# Altium PCB openmv-ae3.PcbDoc (part 3 of 7)
Units mil, origin at the board's own origin, x right, y up, seen from the top; angles counter-clockwise.
Board outline 1001 x 1001 mil, 8 copper layers (TOP, ART2, GND3, ART4, VCC5, GND6, ART7, BOTTOM), stack 65.6 mil thick; 246 components, 168 nets, 1013 pads, 1766 vias.
Unrouted connection lines stored in the file: 233.
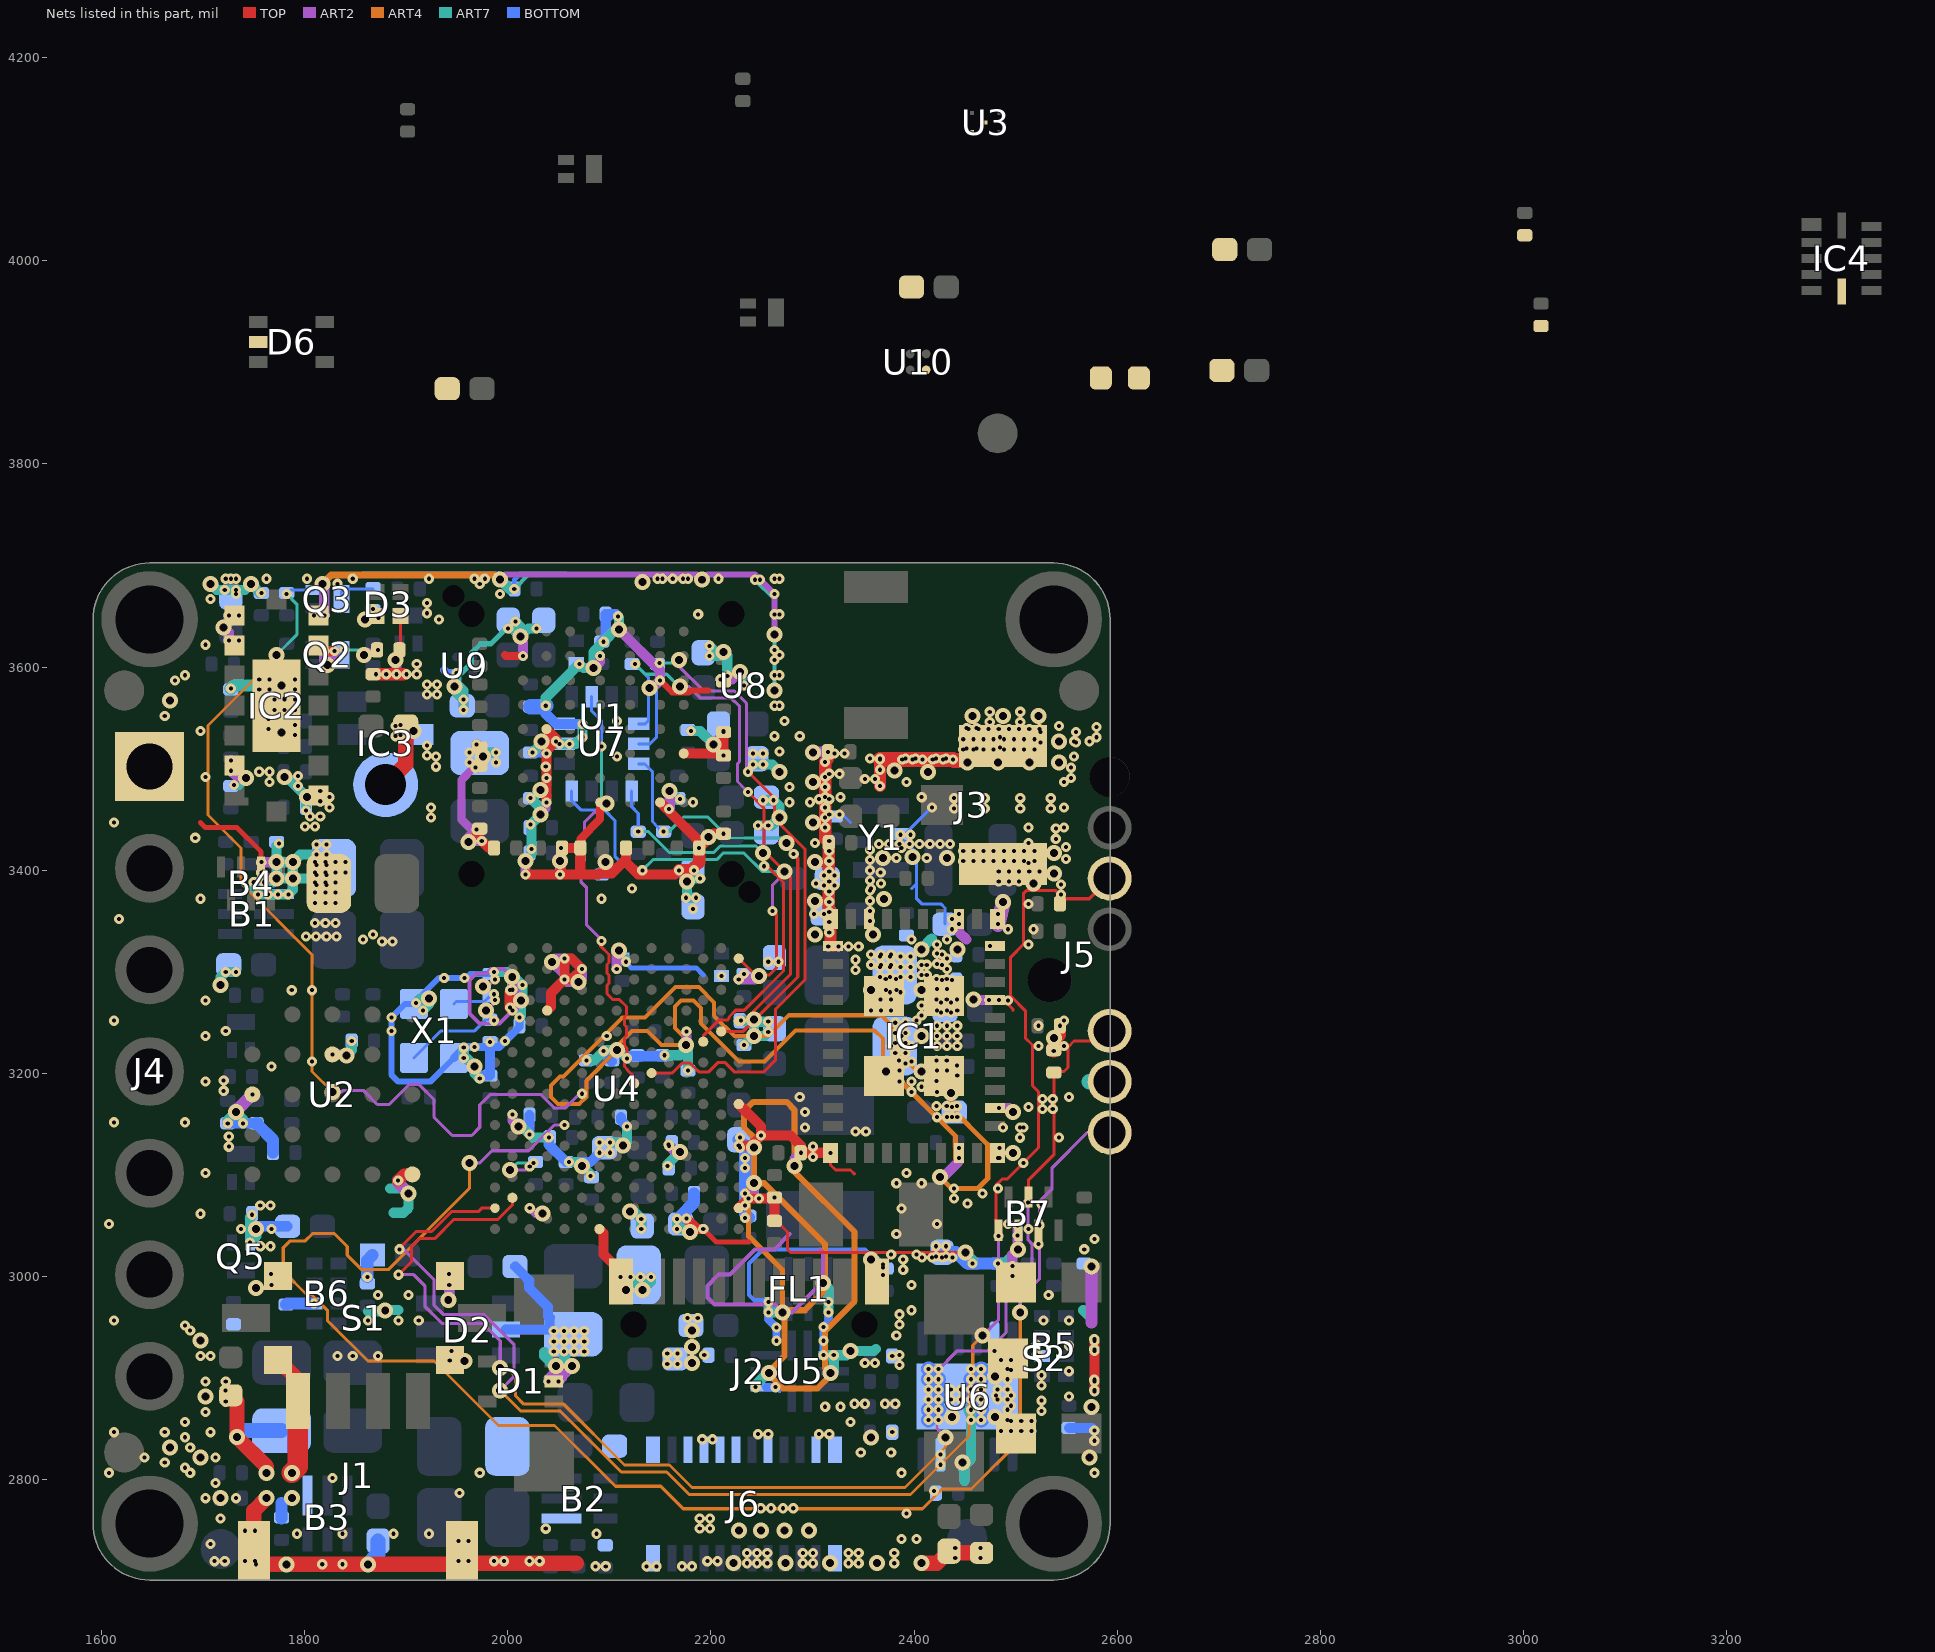
[diagram p9: the nets of this part, all layers, seen from the top]

## Via types
v1: diameter 10, hole 4, TOP to ART2, tented both sides, 779 vias
v2: diameter 10, hole 4, ART7 to BOTTOM, tented both sides, 590 vias
v3: diameter 15.75, hole 7.87, ART2 to ART7, 342 vias
v4: diameter 10, hole 4, ART7 to BOTTOM, tented bottom, 41 vias
v5: diameter 15.75, hole 7.87, TOP to BOTTOM, tented both sides, 13 vias
v6: diameter 10, hole 4, TOP to BOTTOM, tented both sides, 1 vias

## Nets (pads, with @x,y where several pads share a name; then routed paths per layer and width w, separated by ;. In a path a pad name is that pad's centre, name@x,y a point inside that pad or via, vN(x,y) a via of type N, cw(c..) or ccw(c..) an arc to the next point about the centre after c; other vN are vias at no path point) (continued)
GND: B1.4 B2.4 B3.4 B4.2 B5.2 B6.2 B7.2 C1.1 C2.1 C3.2 C4.1 C5.1 C6.1 C7.1 C8.1 C9.1 C10.1 C11.1 C12.1 C13.1 C14.1 C15.1 C16.1 C17.1 C18.1 C19.1 C20.1 C21.1 C22.1 C23.1 C24.1 C25.1 C26.1 C27.1 C28.1 C29.1 C30.1 C31.1 C32.1 C33.1 C34.2 C35.2 C36.1 C37.1 C38.1 C39.2 C40.2 C41.2 C42.2 C43.2 C44.2 C45.2 C46.2 C47.1 C48.1 C49.1 C50.2 C51.2 C52.2 C53.1 C54.2 C55.1 C56.2 C57.2 C58.2 C59.1 C60.1 C61.1 C62.2 C63.2 C64.2 C66.2 C68.1 C69.1 C70.1 C71.2 C72.1 C74.1 C75.1 C76.2 C77.1 C78.1 C79.2 C80.2 C81.2 C82.1 C83.2 C84.1 C85.1 C86.2 C87.2 C88.1 C89.2 C90.1 C91.1 C92.2 C93.1 C94.1 C95.2 C96.1 C97.1 C98.1 C99.1 C100.1 C101.1 C102.2 C103.1 C104.1 C105.2 C106.1 C107.1 C108.1 C109.2 C110.2 C111.1 C112.1 C113.1 C114.1 C115.1 C116.1 C117.1 C118.1 C119.2 C120.1 C121.1 C122.1 C123.1 C124.1 C125.1 D1.2 D2.2 D4.2 D5.2 D6.2 FL1.5 FL1.8 IC1.1 IC1.12 IC1.19 IC1.21 IC1.23 IC1.29 IC1.32 IC1.33 IC1.35 IC1.40 IC1.42 IC1.43 IC1.44 IC1.45 IC1.46 IC2.A2 IC2.A6 IC2.A7 IC2.B4 IC2.C1 IC2.C6 IC2.C7 IC3.2 IC3.3 IC4.6 J1.1 J1.S1 J1.S2 J2.A1 J2.A12 J3.2 J3.3 J4.1 J5.5 J6.13 J6.19 J6.21 J6.22 J6.23 J6.24 Q5.2 R5.1 R12.1 R14.2 R15.1 R19.1 R21.1 R23.1 R25.1 R31.1 R38.2 R39.1 R51.1 R56.1 S1.MP1 S1.MP2 S1.MP3 S1.MP4 S2.2 S2.3 S2.4 U1.B1 U1.B4 U1.C6 U1.E2 U1.F2 U1.F7 U1.G2 U1.H2 U1.H4 U1.H6 U2.B3 U2.C1 U2.E5 U3.2 U3.5 U4.B12 U4.B22 U4.B24 U4.C3 U4.D22 U4.E25 U4.E27 U4.F26 U4.G1 U4.H26 U4.L9 U4.M2 U4.M20 U4.N1 U4.R3 U4.R9 U4.R13 U4.R25 U5.3 U5.8 U6.5 U6.11 U6.13 U7.6 U7.7 U8.2 U8.5 U9.B1 U10.B1 X1.2 X1.4 Y1.2 | length 12197.1
  TOP w3: R12.1@2262.44,3054.91 2264.44,3054.91 2275.44,3043.91 2275.44,3026.91 2278.57,3023.78 2449.31,3023.78 2452.44,3026.91 ; v1(2317.77,3121.75) 2317.77,3109.91 2322.77,3104.91 2337.44,3104.91 2341.44,3100.91 ; IC1.29@2479.66,3272.34 v1(2483.66,3272.34) 2488.01,3272.34 2497.44,3262.91 2497.44,3261.91
  TOP w5: 1697.44,3446.91 1702.44,3441.91 1733.44,3441.91 1757.28,3418.07 B4.2@1757.28,3403.25 ; v1(2192.46,3046.97) 2205.52,3033.91 2237.44,3033.91
  TOP w6: v1(2150.03,3586.88) 2161.95,3574.96 2178.19,3574.96 2180.14,3576.91 2197.44,3576.91
  TOP w8: 1997.44,3611.91 1998.45,3610.9 v1(2014.99,3610.9) ; C13.1@2071.44,3421.91 2071.44,3430.91 2090.97,3450.44 U1.H4@2090.97,3466.8
  TOP w10: IC2.C6@1813.78,3620.97 1818.84,3615.91 v1(1819.44,3615.91) v1(1829.44,3615.91) ; v1(1968.44,3500.91) 1970.44,3502.91 C7.1@1972.44,3502.91 ; v1(1969.44,3439.91) 1969.44,3433.91 v1(1974.44,3428.91) 1981.44,3421.91 C12.1@1986.44,3421.91 ; v1(1969.44,3523.91) C21.1@1972.44,3520.91 ; v1(2004.57,3261.87) 2001.57,3264.87 2001.57,3279.34 v1(2004.57,3282.34) ; v1(2017.44,3395.91) v1(2051.44,3395.91) ; v1(2038.21,3466.8) v1(2038.21,3490.82) v1(2038.21,3514.84) 2038.21,3517.69 v1(2047.44,3526.92) 2047.44,3529.62 U1.E2@2038.21,3538.85 ; U4.D22@2038.82,3261.87 2042.44,3265.49 2042.44,3279.08 v1(2055.94,3292.58) ; U4.G1@2090.2,3046.91 2094.32,3042.79 2094.32,3022.03 2111.46,3004.89 J2.A1@2111.46,2995.37 ; C25.1@2116.44,3421.91 2116.44,3410.91 ; U1.H6@2150.03,3466.8 2156.68,3460.15 v1(2158.68,3460.15) 2158.68,3458.15 2188.44,3428.39 v1(2188.44,3421.91) 2202.44,3435.91 v1(2212.44,3435.91) ; v1(2168.44,3399.91) 2164.44,3395.91 2128.44,3395.91 2116.44,3407.91 2116.44,3410.91 ; U1.F7@2173.25,3514.84 2210.51,3514.84 v1(2212.44,3512.91) v1(2212.44,3535.91) ; v1(2175.83,3057.15) 2186.01,3046.97 v1(2192.46,3046.97) ; U4.R3@2227.36,3067.44 v1(2236.83,3076.91) v1(2247.44,3076.91) 2261.44,3076.91 v1(2262.44,3077.91) R12.1@2262.44,3054.91 ; v1(2227.36,3128.86) 2239.39,3128.86 v1(2249.44,3138.91) ; U4.R13@2227.36,3169.81 2249.44,3147.73 v1(2249.44,3138.91) ; v1(2317.77,3121.75) 2317.61,3121.91 v1(2288.44,3121.91) 2288.44,3128.91 2278.44,3138.91 v1(2249.44,3138.91) ; v1(2577.44,2886.91) v1(2577.44,2896.91) v1(2577.44,2926.91) v1(2577.44,2936.91) ; v1(2051.44,3395.91) 2052.44,3396.91 v1(2052.44,3421.91) R5.1@2053.44,3421.91 C13.1@2071.44,3421.91 2071.44,3396.91 2072.44,3395.91 ; v1(2051.44,3395.91) 2072.44,3395.91 ; v1(2055.94,3292.58) 2062.83,3292.58 v1(2073.07,3302.82) 2062.84,3313.05 v1(2055.94,3313.05) v1(2055.94,3292.58) ; 2072.44,3395.91 2089.44,3395.91 2090.44,3396.91 2102.44,3396.91 2116.44,3410.91
  TOP w12: C76.2@1867.44,3592.91 v1(1870.44,3592.91) v1(1880.44,3592.91) v1(1890.44,3592.91) v1@1897.44,3592.91 ; v1(1892.18,3094.67) 1898.18,3100.67 U2.E5@1906.18,3100.67 ; v1(2168.44,3399.91) 2180.44,3399.91 2188.44,3407.91 v1(2188.44,3421.91) ; v1(2315.26,3516.58) 2315.26,3509.74 2312.44,3506.92 v1(2312.44,3491.91) v1(2312.44,3481.91) v1(2312.44,3471.91) v1(2312.44,3461.91) v1(2312.44,3451.91) v1(2312.44,3441.91) 2312.44,3430.62 C45.2@2316.03,3427.03 2316.03,3353.39 IC1.42@2317.56,3351.86 ; IC1.42@2317.77,3352.07 IC1.42@2317.56,3351.86 ; IC1.1@2320.22,3325.49 2317.56,3328.15 IC1.42@2317.56,3351.86 ; v1(2366.44,3482.91) v1(2366.44,3498.91) v1(2366.44,3508.91) ; v1(2537.44,3221.91) R51.1@2537.44,3222.91 2537.44,3231.91 2543.44,3237.91 v1(2543.44,3246.91)
  TOP w15: D4.2@1727.44,2883.21 1733.45,2877.2 v5(1733.45,2841.92) 1762.45,2812.92 v5(1762.45,2806.92) ; v5(1762.45,2781.92) 1750.08,2769.55 J1.S1@1750.08,2730.08 1763.25,2716.91 v5(1782.44,2716.91) v5(1862.44,2716.91) 1941.63,2716.91 J1.S2@1954.8,2730.08 1966.97,2717.91 2067.44,2717.91 ; S1.MP2@1773.79,2918.07 1793.38,2898.48 J1.1@1793.38,2877.71 ; 1882.44,3486.91 1899.57,3504.04 C77.1@1899.57,3541.91 ; v1(2366.44,3508.91) v1(2388.31,3508.91) v1(2398.31,3508.91) v1(2408.31,3508.91) v1(2418.31,3508.91) v1(2428.31,3508.91) v1(2438.31,3508.91) 2439.31,3507.91 2447.31,3507.91 v1(2458.31,3518.91) ; v5(2407.44,2717.91) 2422.57,2717.91 C52.2@2434.44,2729.78 2436.01,2728.21 R14.2@2466.44,2728.21
  TOP w20: v5(1787.45,2806.92) 1793.38,2812.85 J1.1@1793.38,2877.71
  ART2 w4: v3(2004.44,3294.91) 1996.44,3302.91 1983.62,3302.91 1979.17,3298.46 1968.99,3298.46 1962.44,3291.91 1962.44,3258.9 1972.31,3249.03 1991.73,3249.03 v1(2004.57,3261.87) ; 2277.44,3041.91 2262.44,3026.91 2243.58,3026.91 2218.58,3001.91 2207.44,3001.91 2196.44,2990.91 2196.44,2979.35 2203.41,2972.38 2262.97,2972.38 v3(2270.44,2964.91) 2279.88,2964.91 2308.88,2993.91 v3(2310.44,2993.91) 2310.44,3023.91 2307.44,3026.91
  ART2 w6: v3(1992.45,3685.92) 1997.44,3690.91 2186.44,3690.91 v3(2191.44,3685.91) 2196.44,3690.91 2243.44,3690.91 v1(2248.44,3685.91) v1(2262.44,3671.91) v1(2262.44,3651.91) v3(2262.44,3631.91)
  ART2 w8: v1(1968.44,3500.91) 1966.44,3500.91 1954.44,3488.91 1954.44,3449.91 1964.44,3439.91 v1(1969.44,3439.91) ; v1(2021.69,3067.38) 2027.16,3061.91 v3(2034.44,3061.91) ; v3(2032.45,3454.92) 2038.21,3460.68 v1(2038.21,3466.8) ; v3@2182.44,3046.91 2192.4,3046.91 v1(2192.46,3046.97)
  ART2 w10: v1(1725.44,3625.91) 1725.44,3633.8 v3(1720.45,3638.79) 1725.44,3643.78 v1(1725.44,3650.91) ; v1(1727.44,3507.91) v1(1727.44,3497.91) 1734.44,3490.91 v3(1742.44,3490.91) ; v1(1757.44,3397.91) 1763.43,3391.92 v3(1772.45,3391.92) ; v1(1757.44,3407.91) v3(1772.45,3407.92) ; v3(1802.45,3471.92) 1811.43,3471.92 v1(1815.44,3467.91) v1(1815.44,3477.91) ; v3(1817.45,3681.92) 1819.44,3679.93 v1(1819.44,3650.91) ; v1(1819.44,3615.91) 1819.44,3604.91 v3(1822.44,3601.91) 1829.44,3608.91 v1(1829.44,3615.91) ; v1(1827.44,3218.78) 1840.31,3218.78 v3(1841.31,3217.78) ; v3(1889.45,3606.92) 1890.44,3605.93 v1(1890.44,3592.91) ; v1@1892.18,3092.17 1892.18,3091.91 1902.18,3081.91 v3(1902.44,3081.91) ; v1(1894.44,3532.91) 1903.44,3532.91 v3(1907.44,3536.91) 1901.44,3542.91 v1(1894.44,3542.91) ; v3(1941.45,2976.92) 1942.44,2977.91 v1(1942.44,2991.91) 1942.09,2992.26 v1(1942.09,3002.75) ; v1(1942.94,2917.41) 1943.94,2917.41 v1@1944.44,2916.91 ; v1(1944.44,2926.91) v1@1944.44,2916.91 ; v3(1957.44,2916.91) 1944.86,2916.91 1944.65,2916.7 v1@1944.44,2916.91 ; v1(1968.44,3500.91) 1975.44,3507.91 v3(1975.44,3511.91) 1975.44,3515.91 1969.44,3521.91 v1(1969.44,3523.91) ; v1(1969.44,3439.91) 1961.44,3431.91 v3(1961.44,3427.91) 1962.44,3428.91 v1(1974.44,3428.91) ; v3(2004.44,3294.91) 2004.57,3294.78 v1(2004.57,3282.34) 2013,3273.91 v3(2013,3271.91) 2004.57,3263.48 v1(2004.57,3261.87) ; v1(2004.57,3159.51) 2004.57,3153.78 v3(2010.44,3147.91) ; v3(2012.45,3629.92) 2014.99,3627.38 v1(2014.99,3610.9) ; v1(2017.44,3395.91) v3(2017.45,3408.92) ; v1(2038.21,3466.8) 2038.21,3473.14 v3(2032.44,3478.91) 2038.21,3484.68 v1(2038.21,3490.82) ; v1(2038.21,3514.84) 2038.21,3522.16 v3(2033.45,3526.92) v1(2047.44,3526.92) ; v3(2047.44,2911.91) 2047.44,2906.91 2040.12,2899.59 v1(2040.12,2896.91) v1(2050.12,2896.91) 2053.44,2900.23 2053.44,2901.91 v3(2063.44,2911.91) ; v1(2051.44,3395.91) v3(2051.44,3408.91) 2052.44,3409.91 v1(2052.44,3421.91) ; v3(2084.44,3598.91) 2090.97,3605.44 v1(2090.97,3610.9) ; 2089.44,3395.91 2096.45,3402.92 v3(2096.45,3407.92) ; v1(2107.32,3302.82) 2107.32,3318.91 v3(2109.32,3320.91) ; v3(2109.45,3636.92) 2150.03,3596.34 v1(2150.03,3586.88) 2142.44,3579.29 v3(2139.44,3579.29) ; v1(2158.7,3128.8) 2163.59,3123.91 2168.44,3123.91 v3(2169.44,3122.91) ; v1(2158.68,3460.15) 2159.45,3460.92 v3(2159.45,3477.92) ; v1(2168.44,3399.91) 2176.44,3391.91 v3(2176.44,3388.91) ; v3(2175.44,3227.91) 2175.83,3228.3 v1(2175.83,3241.4) ; v1(2175.83,3057.15) 2179.44,3053.54 v3(2179.44,3043.91) 2182.44,3046.91 2182.5,3046.97 v1(2192.46,3046.97) ; v1(2188.44,3421.91) 2188.44,3422.91 2197.44,3431.91 v3(2197.44,3432.91) ; v1(2209.44,3587.91) 2220.44,3587.91 2227.44,3594.91 v3(2228.44,3594.91) ; v1(2212.44,3512.91) 2212.44,3513.93 v3(2202.45,3523.92) 2212.44,3533.91 v1(2212.44,3535.91) ; v1(2227.36,3128.86) 2240.49,3128.86 v3(2242.44,3126.91) ; v1(2227.36,3292.64) 2243.17,3292.64 2245.44,3294.91 2246.44,3294.91 v3(2247.44,3295.91) ; v1(2236.83,3076.91) 2242.45,3082.53 v3(2242.45,3091.92) ; v3(2282.43,3108.91) 2282.43,3115.9 v1(2288.44,3121.91) ; v3(2300.45,3515.92) 2301.11,3516.58 v1(2315.26,3516.58) ; v3(2425.45,3097.92) 2428.45,3097.92 2444.23,3113.7 v1(2444.23,3116.75) v1(2444.23,3126.75) ; v1(2444.23,3357.07) v1(2444.23,3347.07) 2444.23,3339.12 2451.44,3331.91 ; v3(2458.44,3272.91) 2459.01,3272.34 v1(2473.66,3272.34) v1(2483.66,3272.34) ; v1(2483.66,3166.04) 2493.33,3166.04 v3(2497.45,3161.92) ; v1(2496.6,3000.57) v1(2496.6,3010.57) 2496.6,3021.07 v3(2502.44,3026.91) 2501.6,3027.75 v1(2501.6,3040.57) v1(2501.6,3050.57) ; v3(2537.45,3234.92) 2543.44,3240.91 v1(2543.44,3246.91) ; v3(2043.45,3309.92) 2046.58,3313.05 v1(2055.94,3313.05) 2062.84,3313.05 v1(2073.07,3302.82) 2073.07,3293.54 v3(2069.45,3289.92) 2058.6,3289.92 v1(2055.94,3292.58) 2055.94,3297.43 v3(2043.45,3309.92)
  ART2 w12: v3(1732.44,3161.91) 1732.44,3163.15 v1(1748.7,3179.41) ; v1(1892.18,3094.67) 1892.18,3092.17 v3(1902.44,3081.91) ; 2574.44,2954.91 v3(2574.44,3009.91)
  ART2 w15: v1(2482.44,3346.91) 2484.79,3356.32 2487.62,3367.62 2487.27,3368.19 v3(2487.44,3368.91)
  ART4 w4: v3(2372.44,3201.91) 2369.32,3205.03 2369.32,3234.16 2361.2,3242.28 2283.17,3242.28 2252.8,3211.91 2227.65,3211.91 2190.2,3249.36 2190.2,3264.36 2182.65,3271.91 2170.33,3271.91 2164.44,3266.02 2164.44,3244.91 2175.44,3233.91 v3(2175.44,3227.91) 2151.44,3227.91 2137.44,3241.91 2122.44,3241.91 2107.44,3226.91 v3(2107.44,3222.91) 2077.32,3192.79 2077.32,3176.91 2070.37,3169.96 2049.39,3169.96 2042.62,3176.73 2042.62,3188.17 2051.36,3196.91 2054.73,3196.91 2112.73,3254.91 2134.93,3254.91 2164.93,3284.91 2188.05,3284.91 2203.2,3269.76 2203.2,3256.76 2223.05,3236.92 v3(2242.45,3236.92) 2256.59,3236.92 2276.95,3257.28 2367.42,3257.28 2384.32,3240.38 2384.32,3220.64 2403.05,3201.92 v3(2407.45,3201.92)
  ART4 w5: v3(2242.45,3091.92) 2237,3086.47 2237,3040.01 2270.44,3006.57 v3(2270.44,2964.91) ; v3(2372.44,3201.91) 2377.22,3201.91 2440.89,3138.24 2440.89,3113.36 v3(2425.45,3097.92) 2436.46,3086.91 2462.78,3086.91 2472.44,3096.57 2472.44,3129.89 2436.43,3165.9 v3(2436.43,3180.9) 2436.43,3182.92 2417.43,3201.92 v3(2407.45,3201.92)
  ART4 w6: v3(2242.45,3091.92) 2252.43,3091.92 2312.44,3031.91 2312.44,2995.91 v3(2310.44,2993.91) 2310.69,2993.66 2310.69,2985.16 2292.44,2966.91 2272.44,2966.91 v3(2270.44,2964.91) 2272.44,2962.91 2272.44,2921.91 2258.04,2907.51 2258.04,2905.92 v3(2257.04,2904.92) 2258.04,2903.92 2258.04,2902.92 2271.05,2889.91 2304.85,2889.91 2317.86,2902.92 v3(2317.86,2904.92) 2312.44,2910.34 2312.44,2946.91 2341.44,2975.91 2341.44,3043.91 2282.43,3102.92 v3(2282.43,3108.91) 2282.44,3163.91 2274.44,3171.91 2241.81,3171.91 2232.56,3162.66 2232.56,3146.79 2242.44,3136.91 v3(2242.44,3126.91) v3(2242.45,3091.92)
  ART4 w7: v3(1817.45,3681.92) 1825.93,3690.4 1987.97,3690.4 v3(1992.45,3685.92)
  ART7 w4: v2(2006.44,3676.91) 2020.44,3690.91 2183.44,3690.91 2188.44,3685.91 v3(2191.44,3685.91) 2196.44,3690.91 2238.44,3690.91 v2(2243.44,3685.91) 2262.44,3666.91 v3(2262.44,3631.91) v3(2262.44,3576.91)
  ART7 w5: v2(1949.57,3594.04) 1954.57,3594.04 1964.44,3603.91 1964.44,3613.91 1973.44,3622.91 1983.44,3622.91 1998.44,3637.91 v2(2000.44,3637.91)
  ART7 w10: v3(1707.45,3681.92) 1713.46,3675.91 v2(1721.44,3675.91) v2(1732.44,3675.91) 1741.44,3675.91 v3(1747.45,3681.92) 1756.46,3672.91 v2(1757.44,3672.91) ; v3(1717.44,3286.91) 1717.44,3294.91 v2(1722.44,3299.91) v2(1732.44,3299.91) ; v2(1724.44,3150.91) 1724.44,3153.91 v3(1732.44,3161.91) 1739.44,3154.91 v2(1739.44,3150.91) ; v2(1730.44,3483.91) 1735.44,3483.91 v3(1742.44,3490.91) ; v2(1748.44,3060.91) 1746.3,3058.77 v2(1746.3,3033.69) 1752.44,3039.83 v3(1752.44,3046.91) ; v2(1775.03,3426.16) 1772.45,3423.58 v3(1772.45,3407.92) ; v3(1777.44,3581.91) 1780.44,3578.91 v2(1780.44,3568.91) ; v3(1780.44,3491.91) 1782.46,3491.91 v3(1802.45,3471.92) 1801.44,3470.91 v2(1801.44,3458.91) ; v2(1811.69,3395.32) 1808.29,3391.92 v3(1788.45,3391.92) ; v2(1811.69,3415.32) 1795.85,3415.32 v3(1788.45,3407.92) ; v3(1841.31,3217.78) 1846.44,3222.91 v2(1846.44,3231.91) ; 1862.44,2965.91 1878.44,2965.91 v3(1879.44,2966.91) 1879.6,2967.07 1892.63,2967.07 ; 1884.44,3086.91 1897.44,3086.91 v3(1902.44,3081.91) 1902.44,3067.91 1897.44,3062.91 1887.44,3062.91 ; v2(1909.69,3269.32) 1914.28,3273.91 v3(1922.44,3273.91) 1922.44,3267.91 v2(1916.44,3261.91) ; v3(1941.45,2976.92) 1942.44,2977.91 1942.44,2989.91 ; v2(1949.57,3594.04) 1949.57,3583.04 v3(1947.45,3580.92) ; v2(1956.44,3557.91) v2(1956.44,3567.91) ; v2(1956.69,3225.32) v2(1956.69,3215.32) 1959.05,3215.32 v3(1967.45,3206.92) 1967.45,3199.9 v2(1972.44,3194.91) ; v3(1975.44,3511.91) 1979.44,3515.91 v2(1988.44,3515.91) ; v2(1986.44,3299.91) 1999.44,3299.91 v3(2004.44,3294.91) ; v3(1992.45,3685.92) 2001.46,3676.91 v2(2006.44,3676.91) ; v2(2000.44,3637.91) 2004.46,3637.91 v3(2012.45,3629.92) ; v2(2002.44,3264.91) 2009.44,3271.91 v3(2013,3271.91) ; v2(2007.44,3644.91) 2012.45,3639.9 v3(2012.45,3629.92) ; v3(2010.44,3147.91) 2013.44,3147.91 v2(2021.44,3139.91) 2024.44,3136.91 v2(2040.44,3136.91) ; v2(2011.44,3254.91) 2013,3256.47 v3(2013,3271.91) ; v3(2017.45,3408.92) 2017.45,3409.92 2023.44,3415.91 v2(2023.44,3420.91) 2023.44,3443.91 v2(2022.44,3444.91) v3(2032.45,3454.92) 2032.45,3460.9 v2(2022.44,3470.91) 2024.44,3470.91 v3(2032.44,3478.91) ; v2(2024.44,3515.91) 2033.45,3524.92 v3(2033.45,3526.92) 2048.43,3526.92 v2(2050.94,3524.41) v2(2060.94,3524.41) 2066.94,3524.41 v2(2073.44,3530.91) v2(2073.44,3544.09) ; v2(2028.44,3637.91) 2020.44,3637.91 v3(2012.45,3629.92) ; 2035.85,2925.66 2035.85,2921.91 2045.85,2911.91 v3(2047.44,2911.91) ; v2(2037.44,3561.91) 2037.44,3569.91 v2(2070.44,3602.91) 2074.44,3598.91 v3(2084.44,3598.91) 2084.44,3614.91 v2(2094.44,3624.91) 2106.45,3636.92 v3(2109.45,3636.92) 2109.45,3648.9 v2(2108.44,3649.91) ; v2@2055.85,2925.66 2055.85,2919.5 v3(2063.44,2911.91) ; v2(2060.44,3112.91) 2069.3,3112.91 v3(2073.08,3109.13) 2081.44,3100.77 v2(2081.44,3098.91) ; v2(2077.44,3212.91) 2085.44,3212.91 v2(2094.44,3221.91) 2095.44,3222.91 v3(2107.44,3222.91) 2109.44,3222.91 v2(2117.44,3214.91) ; 2089.44,3395.91 2096.45,3402.92 v3(2096.45,3407.92) ; v2(2100.44,3131.91) 2110.44,3131.91 v3(2113.44,3128.91) 2117.44,3132.91 v2(2117.44,3147.91) ; v3(2109.32,3320.91) 2109.32,3318.91 2115.44,3312.79 2115.44,3310.91 v2(2116.44,3309.91) ; v2(2110.85,2999.66) 2110.85,2992.5 v3(2116.44,2986.91) 2120.85,2991.32 v2(2120.85,2999.66) ; v3(2120.44,3063.91) 2124.44,3063.91 v2(2131.44,3056.91) v2(2131.44,3046.91) ; v2(2130.85,2999.66) 2130.85,2988.5 v3(2132.44,2986.91) 2140.85,2995.32 v2(2140.85,2999.66) ; v2(2154.44,3217.91) 2169.44,3217.91 v3@2177.44,3225.91 ; v2(2157.44,3108.91) 2157.44,3110.91 v3(2169.44,3122.91) 2165.44,3122.91 v2(2158.44,3129.91) ; v3(2159.45,3477.92) 2167.46,3469.91 v2(2169.44,3469.91) ; v2(2166.44,3056.91) v2(2166.44,3046.91) 2176.44,3046.91 v3(2179.44,3043.91) ; v3(2175.44,3227.91) v3@2177.44,3225.91 ; v2(2177.44,3202.91) v3@2177.44,3225.91 ; v2(2180.44,3536.91) 2189.46,3536.91 v3(2202.45,3523.92) 2212.44,3533.91 v2(2212.44,3536.91) ; v2(2183.44,3399.91) 2176.44,3392.91 v3(2176.44,3388.91) ; v2(2185.44,3372.91) v2(2175.44,3372.91) 2176.44,3373.91 v3(2176.44,3388.91) ; v2(2189.44,3391.91) 2179.44,3391.91 v3(2176.44,3388.91) ; v2(2198.44,3610.91) 2208.44,3610.91 v3(2212.44,3614.91) ; v2(2198.44,3620.91) 2204.44,3614.91 v3(2212.44,3614.91) ; v2(2229.44,3251.91) 2241.44,3251.91 v3(2242.45,3252.92) ; v2(2232.44,3227.91) 2241.45,3236.92 v3(2242.45,3236.92) ; v2(2232.44,3581.91) 2232.44,3590.91 v3(2228.44,3594.91) 2224.89,3591.36 v2(2216.05,3591.36) 2216.05,3611.3 v3(2212.44,3614.91) ; v2(2241.44,3503.91) v2(2251.44,3503.91) 2260.45,3503.91 v3(2267.44,3496.92) ; v2(2244.03,2891.16) 2244.03,2893.5 2255.45,2904.92 v3(2257.04,2904.92) ; v4(2246.44,3443.91) v4(2256.44,3443.91) 2259.44,3443.91 v3(2267.45,3451.92) 2267.45,3462.9 v4(2261.44,3468.91) v4(2251.44,3468.91) ; v2(2256.44,3240.91) 2252.45,3236.92 v3(2242.45,3236.92) ; v2(2256.44,3250.91) 2244.46,3250.91 v3(2242.45,3252.92) ; v2(2256.75,2974.91) v2(2256.75,2964.91) v3(2270.44,2964.91) ; v3(2310.44,2993.91) 2315.81,2988.54 v2(2315.81,2974.91) v2(2315.81,2964.91) ; v2(2310.85,2922.66) v2(2320.85,2922.66) ; v3(2317.86,2904.92) 2320.85,2907.91 v2(2320.85,2922.66) ; v3(2357.44,3016.91) 2361.44,3016.91 v2(2369.44,3008.91) ; 2362.44,2928.91 2360.44,2926.91 v3(2337.44,2926.91) 2333.19,2922.66 v2(2320.85,2922.66) ; v3(2407.45,3321.92) 2407.45,3322.92 2417.44,3332.91 ; 2449.44,2798.91 2449.44,2809.91 2447.44,2811.91 2455.87,2820.34 2455.87,2865.27 2454.01,2867.13 v2@2454.01,2869 ; v3(2450.45,3023.92) 2457.44,3016.93 v2(2457.44,3012.91) ; v2(2482.44,3012.91) 2488.44,3012.91 v3(2502.44,3026.91) ; 2566.44,2966.91 2574.44,2958.91 2574.44,2954.91 ; v3(1772.45,3391.92) 1768.69,3388.16 v2(1760.03,3388.16) v2(1750.03,3388.16) 1750.03,3380.16 v2(1754.03,3376.16) v2(1764.03,3376.16) v2(1774.03,3376.16) v2(1784.03,3376.16) 1788.45,3380.58 v3(1788.45,3391.92) ; v3(1772.45,3391.92) v3(1772.45,3407.92) ; v3(1772.45,3391.92) v3(1788.45,3391.92) ; v3(1772.45,3407.92) v3(1788.45,3407.92) ; v3(1788.45,3391.92) v3(1788.45,3407.92) ; v3(1947.45,3580.92) 1948.45,3579.92 1948.45,3575.9 v2(1956.44,3567.91) ; v3(1947.45,3580.92) 1952.44,3580.92 1956.44,3576.92 v2(1956.44,3567.91) ; v3(2004.44,3294.91) 2004.44,3283.91 v2(2002.44,3281.91) 2003,3281.91 v3(2013,3271.91) ; v3(2004.44,3294.91) 2006.44,3294.91 v2(2014.44,3286.91) 2014.44,3273.35 v3(2013,3271.91) ; v3(2242.45,3236.92) v3(2242.45,3252.92)